# Allegro board HY_DDDW_V10B.brd (continued)
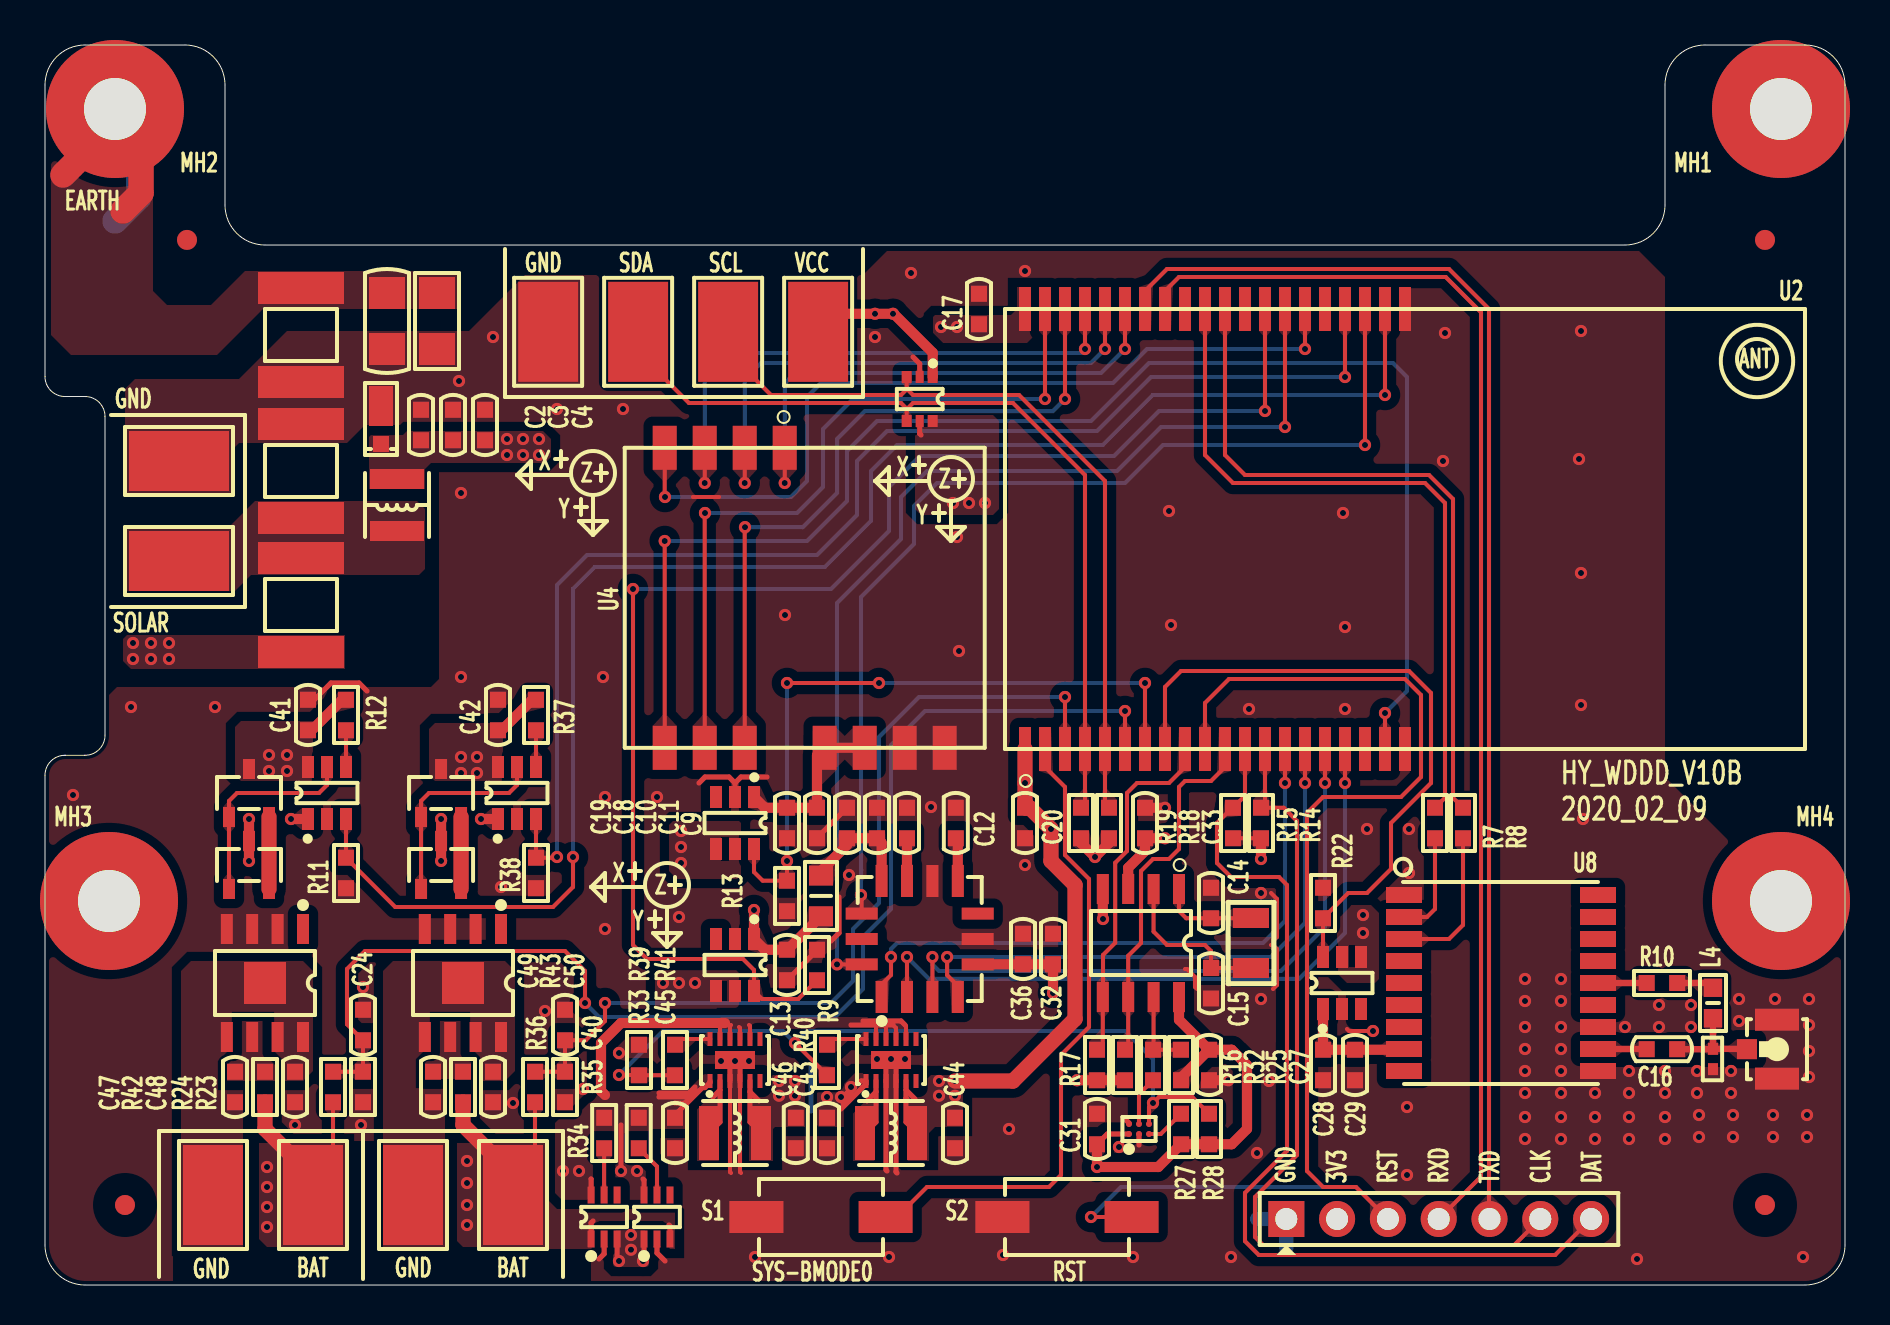
[diagram p0: board, top side]
## Nets (continued)
N17313253: Q9.1 Q10.1 U19.5
N17313285: R37.1 U19.4
N17327866: R40.1 U21.12
N17330296: L5.2(B) U21.2
N17330889: R41.1 U22.12
N17330895: L6.2(B) U22.2
N17334885: C47.2 R42.1 U23.6
N17334891: C47.1 C48.2 TP7.1 U23.5 U23.7 U23.8 U23.9
N17336234: C49.1 C50.2 TP12.1 U24.5 U24.7 U24.8 U24.9
N17336264: C49.2 R43.1 U24.6
N172482410: L4.1 R10.1

Pads without a net: MH1 1; MH3 1; MH4 1; MP1 1; MP2 1; MP3 1; MP4 1; U2 25 29 32; U6 3; U8 4 5 6 7 9 13 15 16 17 18; U11 7 13; U14 3; U16 4; U17 4; U20 3; U21 6 7; U22 6 7; U23 1; U24 1

## Via types
v1: diameter 0.61, hole 0.305, TOP to BOTTOM, 244 vias

## Routing (per net, layer and track width the routed paths; a pad name or vN(x,y) marks a point on that pad's centre or on a via; arc(x,y) is an arc through that point)
GND: length 64
  TOP w0.203: 61.4,17.2 61.6,17.4 61.6,19.3 61.3,19.6 ; 32.4,39.4 33.7,39.4 ; U22.3 34.25,5.65 34.3,5.6 ; 61.3,17 61.4,17 61.6,16.8 61.6,15 61.4,14.8 ; 34.8,5.6 34.75,5.65 U22.4 ; 57.6,14.8 57.5,14.9 57.5,15.4 57.1,15.8 57,15.8 ; 65.1,12.8 65.2,12.7 v1(66.4,12.7)
  TOP w0.254: 39.3,17.2 39.7,17.6 39.7,19.4 ; 34.5,25.1 U14.2 ; 34.5,25.1 34.8,25.4 36.1,25.4 ; 34.5,25.1 34.2,25.4 33,25.4 32.7,25.1 ; 43.4,46.4 43.73,46.06 U1.2 ; U16.2 30.6,1.6 31,1.2 ; U9.B1 54.7,7 ; C10.1 38.6,22.36 C18.1 ; U22.4 34.75,11 U22.13 34.25,11 U22.3 ; 42.6,5.6 42.55,5.65 U21.4 42.55,11 U21.13 42.05,11 U21.3 42.05,5.75 42.1,5.7 ; 16.1,29.7 15.7,30.1 14.3,30.1 13.46,29.26 C41.1 ; U17.2 27.96,1.56 27.7,1.3 ; U9.A2 54.2,8.1 54,8.3 ; C13.1 38.6,16.74 R9.2
  TOP w0.508: C33.1 v1(56,23.86) ; C27.1 v1(59.16,10.24) ; v1(52.9,18.3) 52.89,18.31 U10.4
  L2_GND w0.711: 62.06,1.84 J2.1 ; J2.1 62.06,4.76 ; J2.1 60.61,3.3
  BOTTOM w0.254: 38.3,8.7 38.3,10.9
  BOTTOM w0.711: 62.06,1.84 J2.1 60.61,3.3
  vias: v1(1.4,24.5) v1(4.3,28.9) v1(8.5,28.9) v1(12.5,8) v1(15.8,8) v1(15.9,14.9) v1(20.7,45.2) v1(20.8,39.6) v1(20.8,30.4) v1(22.4,47.4) v1(22.8,19.9) v1(23.4,9.1) v1(25,13.7) v1(25.6,43.8) v1(26.9,9.8) v1(27.9,30.4) v1(28,24.4) v1(28,17.8) v1(28.7,11.6) v1(28.9,43.8) v1(30.6,24.4) v1(31.7,18.4) v1(33.8,11.2) v1(34.5,11.2) v1(35.2,11.2) v1(35.5,1.4) v1(37,33.5) v1(40.2,20.5) v1(41.5,47.4) v1(41.6,11.3) v1(42.2,1.4) v1(42.3,11.3) v1(43,11.3) v1(43.3,50.6) v1(44.3,23.9) v1(45.6,37.4) v1(45.7,31.7) v1(47.9,1.5) v1(48.2,7.8) v1(49,50.7) v1(49,21) v1(53.7,6.9) v1(54.4,1.4) v1(56.2,38.7) v1(56.3,33) v1(59.3,1.4) v1(60.2,28.8) v1(60.6,6.6) v1(60.8,19.6) v1(60.8,14.3) v1(61.2,10.2) v1(64.9,38.6) v1(65,32.9) v1(65,28.8) v1(66.1,22.8) v1(68.1,8.9) v1(68.1,5.5) v1(68.2,22.8) v1(68.2,20.6) v1(69.9,41.2) v1(70,47.6) v1(74,15.3) v1(74,14.2) v1(74,12.9) v1(74,11.8) v1(74,10.7) v1(74,9.6) v1(74,8.4) v1(74,7.3) v1(75.8,15.3) v1(75.8,14.2) v1(75.8,12.9) v1(75.8,11.8) v1(75.8,10.7) v1(75.8,9.6) v1(75.8,8.4) v1(75.8,7.3) v1(76.7,41.3) v1(76.8,47.7) v1(76.8,35.6) v1(76.8,29) v1(76.9,23.3) v1(77.5,9.6) v1(77.5,8.4) v1(77.5,7.3) v1(79,12.9) v1(79.2,10.7) v1(79.2,9.6) v1(79.2,8.4) v1(79.2,7.3) v1(79.6,1.3) v1(80.7,14) v1(80.7,12.9) v1(81,10.7) v1(81,9.6) v1(81,8.4) v1(81,7.3) v1(82.3,14) v1(82.3,12.9) v1(82.6,10.7) v1(82.6,9.6) v1(82.7,8.5) v1(82.7,7.4) v1(84.3,10.7) v1(84.3,9.6) v1(84.4,8.5) v1(84.4,7.4) v1(84.7,14.3) v1(84.7,13.2) v1(86.4,8.5) v1(86.4,7.4) v1(86.5,14.3) v1(87.9,1.4) v1(88.1,8.5) v1(88.1,7.4) v1(88.2,14.3) v1(88.2,13) v1(88.2,11.7) v1(88.2,10.4)
GND_EARTH: length 20.2
  TOP w1.27: 3.5,58.3 4.8,57 4.8,54.6 3.9,53.7 ; 3.5,58.3 3.5,58.1 0.9,55.5 ; 3.5,58.3 MH2.1
  BOTTOM w1.27: 0.9,55.5 3.5,58.1 ; 3.5,58.1 4.7,56.9 4.7,54.4 3.5,53.2 ; 3.5,58.1 MH2.1
  vias: v1(4.4,32.1) v1(4.4,31.3) v1(5.3,32.1) v1(5.3,31.3) v1(6.2,32.1) v1(6.2,31.3)
VCC_3.3V: length 14.8
  TOP w0.254: 35.25,9.65 35.25,8.15 L6.1 ; 35.25,9.65 U22.5 ; 35.25,9.65 35.7,9.2 ; U1.5 43.73,42.56 43.8,42.5
  TOP w0.508: TP4.1 39.56,48.56 v1(41.5,48.56) v1(42.4,48.56) 42.44,48.56 44.38,46.62 U1.1 ; R18.1 53.2,22.1 v1(52.5,21.4) 51.8,22.1 R19.1
  vias: v1(30.9,15.1) v1(31.7,15.1) v1(31.8,22.7) v1(31.8,21.9) v1(31.8,21.1) v1(32.5,15.1) v1(36.7,10.2) v1(36.7,9.46) v1(37.5,10.2) v1(37.5,9.46) v1(45.4,39.1) v1(46.2,39.1) v1(47,39.1) v1(65.9,18.5) v1(65.9,17.6)
VCC_3.3V_ADXL: length 10.9
  TOP w0.508: L3.2 37.12,16.76 C13.2 35.99,16.76 U6.1 v1(35.45,18.75) ; v1(50.4,14.6) C32.1 C36.1 46.64,16.04 U11.5
VCC_3.3V_GPS: length 6.1
  TOP w0.508: U20.1 C28.2 C29.2 67.91,11.76 U8.8
VCC_3.3V_IMU: length 8.5
  TOP w0.508: U14.1 35.99,23.86 C19.2 C18.2 38.6,26.47 U4.8 U4.9
VCC_3.3V_RF: length 32.2
  TOP w0.203: R14.1 R15.1
  TOP w0.254: 43.05,9.75 43.05,9.35 ; 43.05,9.75 43.5,9.3 ; 43.05,9.75 U21.5 ; 43.05,9.35 43.1,9.3 ; 43.05,9.35 43.05,8.15 L5.1
  TOP w0.508: R16.1 R17.1 v1(51.6,10.24) ; R14.1 v1(60.8,21.3)
  TOP w0.762: v1(45.5,10.2) 48.4,10.2 51.5,13.3 51.5,20 50.3,21.2 v1(50.3,22.8) 49.24,23.86 C20.1 v1(49,25.1) U2.1
  L3_VCC w2: J2.2 64.61,5.2 64.6,5.2
  vias: v1(44.7,10.2) v1(44.7,9.46) v1(44.8,47.9) v1(45.5,9.46) v1(45.6,47.9)
VCC_4.2V: length 60
  TOP w0.203: U22.11 33.75,13.05 33.7,13.1 ; U22.8 35.25,12.95 35.2,13 ; U22.9 34.75,12.85 34.7,12.9 ; U21.10 42.05,12.95 42,13 ; 41.5,13 41.55,12.95 U21.11 ; 34.3,13 34.25,12.95 U22.10 ; U21.9 42.55,12.85 42.4,13 ; 43,13 43.05,12.95 U21.8
  TOP w0.254: 32.3,9.4 32,9.1 31.5,9.1 ; 32.3,9.4 30.7,9.4 ; 32.3,9.4 32.6,9.7 ; 39.8,8.8 41.05,10.05 U21.1 40.8,10.2 40.7,10.1 ; U9.A1 53.11,7.55 C31.2 ; v1(39.8,9.4) 39.9,9.4 40.1,9.6 40.3,9.6 40.3,9.5 39.9,9.1 ; 40.3,13 42.4,13 ; 28.8,8 28.8,6 ; 30.7,9.6 32.2,9.6 32.5,9.9 ; U22.1 33.25,10.12 33,9.87 32.87,9.87 31.5,8.5 C45.2 ; 27.3,5.3 27.31,5.29 U17.6 ; 29.9,5.3 29.95,5.25 U16.6 ; 43,13 42.8,13.2 40.9,13.2
  TOP w0.508: U10.3 54.16,20.86 55,21.7 C33.2 v1(56,22.34) ; U10.8 56.7,13.26 C27.2 ; C27.2 56.8,10.36 R25.1 ; C27.2 59.34,11.76 60.1,11 60.1,7.8 59.34,7.04 R28.2 R27.1 55.66,5.9 v1(52.6,5.9) C31.2 ; 34,13.1 28.8,13.1 27.8,12.1 27.8,9.7 28,9.5
  vias: v1(25.9,5.7) v1(26.7,5.7) v1(28.8,5.7) v1(29.6,5.7) v1(39.1,9.4) v1(40.3,9.9)
VCC_4.2V_BAT1: length 15.2
  TOP w0.203: R24.1 14.4,5.5 TP8.1
  TOP w0.254: U16.1 29.95,1.45 30,1.4 30,1.3 ; 28.6,1.3 28.61,1.31 U17.3
  TOP w0.508: C41.2 13.34,27.74 14.86,29.26 R12.2
  TOP w0.762: TP8.1 13.4,5.4 11,7.8 R42.2
  vias: v1(11.1,5.9) v1(11.1,4.9) v1(11.1,3.9) v1(11.1,2.9) v1(11.2,26.5) v1(11.2,25.7) v1(12.1,26.5) v1(12.1,25.7) v1(28.7,1.2) v1(29.3,2.5) v1(29.3,1.76) v1(29.9,1.2)
VCC_4.2V_BAT2: length 15
  TOP w0.203: R36.1 24.5,5.6 TP10.1
  TOP w0.254: U16.3 31.25,2.95 31.2,3 ; U17.1 27.31,3.11 27.4,3.2
  TOP w0.508: R37.2 24.36,29.26 22.84,27.74 C42.2
  TOP w0.762: R43.2 20.9,8 23.4,5.5 TP10.1
  vias: v1(20.8,26.4) v1(20.8,25.6) v1(21.1,6.2) v1(21.1,5.1) v1(21.1,4) v1(21.1,3) v1(21.6,26.4) v1(21.6,25.6)
VCC_VIN: length 5.9
  TOP w0.508: v1(19.8,23.3) Q9.3 v1(19.8,21.2) ; U18.1 v1(12.3,23.3) ; v1(10.2,21.2) Q7.3 v1(10.2,23.3) ; U19.1 v1(21.8,23.3)
  vias: v1(23.1,42.3) v1(23.1,41.5) v1(23.9,42.3) v1(23.9,41.5) v1(24.7,42.3) v1(24.7,41.5)
BAT1_VAL: length 63.1
  TOP w0.203: R24.2 R23.1 C24.1 15.1,13.04 15.1,15.8 16,16.7 26,16.7 27,15.7 v1(27,14.1) ; U2.6 v1(54,28.7)
  BOTTOM w0.203: v1(54,28.7) 44,28.7 42.3,27 42.3,18.8 40.9,17.4 40.9,14.8 39.5,13.4 27.7,13.4 v1(27,14.1)
BAT2_VAL: length 44.7
  TOP w0.203: v1(28,14.1) 28,13.2 27.04,12.24 C40.1 R35.1 R36.2 ; U2.3 v1(51,29.4)
  BOTTOM w0.203: v1(28,14.1) 39.3,14.1 40.4,15.2 40.4,17.8 41.7,19.1 41.7,27.4 43.7,29.4 v1(51,29.4)
CTL1/P0_14: length 80
  TOP w0.203: U2.22 v1(67,44.5) ; U18.3 R11.2 17.51,18.9 25.4,18.9 26.4,19.9 v1(26.4,21.4)
  BOTTOM w0.203: v1(26.4,21.4) 26.4,34.81 27.49,35.9 38.99,35.9 41.3,38.21 41.3,40.7 42.6,42 52.89,42 55.39,44.5 v1(67,44.5)
CTL2/P2_02: length 65.3
  TOP w0.203: U19.3 R38.2 25.56,21.36 v1(25.6,21.4) ; U2.24 v1(65,45.4)
  BOTTOM w0.203: v1(25.6,21.4) 25.6,35 27.1,36.5 38.6,36.5 40.6,38.5 40.6,41.2 42.1,42.7 52.6,42.7 55.3,45.4 v1(65,45.4)
CTL_ONOFF: length 40.4
  TOP w0.203: U9.C2 55.2,8.9 v1(55.4,9.1) 55.7,9.4 57.36,9.4 R28.1 ; v1(28.7,10.5) 29.69,10.5 R39.2 R41.2 ; R40.2 39.1,10.5 v1(37.5,12.1)
  BOTTOM w0.203: v1(55.4,9.1) 55.4,11.3 54,12.7 38.1,12.7 v1(37.5,12.1) 36.9,12.7 30.9,12.7 v1(28.7,10.5)
GPS_ANT: length 5
  TOP w0.32: D2.2 85.08,11.81 IPX1.1 ; D2.2 83.38,11.79 C16.1 ; D2.2 L4.2
I2C0_SCL: length 18.3
  TOP w0.203: R16.2 54.16,11.92 U10.6 54.16,16.46 54.8,17.1 54.8,20.7 55.4,21.3 56.2,21.3 56.7,21.8 56.7,24.9 57,25.2 58.3,25.2 59,25.9 U2.11
I2C0_SDA: length 17.8
  TOP w0.203: R17.2 52.89,12.05 U10.5 52.9,14.41 52.9,16.5 53.51,17.11 53.51,21.11 54.1,21.7 54.1,24.6 54.6,25.1 56.2,25.1 57,25.9 U2.9
I2C_SCL: length 39.8
  TOP w0.203: TP3.1 34.16,46.64 36.3,44.5 42.8,44.5 43.09,44.78 43.09,44.81 ; R18.2 53,24.06 U2.5 53,40.2 48.7,44.5 43.4,44.5 43.09,44.81 ; 43.09,44.81 U1.3
I2C_SDA: length 43.5
  TOP w0.203: 43.09,43.81 42.8,44.1 32.2,44.1 29.66,46.64 TP2.1 ; 43.09,43.81 U1.4 ; 43.09,43.81 43.12,43.81 43.4,44.1 48.4,44.1 52,40.5 U2.4 52,24.06 R19.2
P0_08/EN: length 70.8
  TOP w0.203: v1(29.4,34.8) 29.4,17 30.1,16.3 34.9,16.3 35.45,15.75 U6.6 35.85,14.3 37.66,14.3 R9.1 ; U2.28 v1(61,43.7)
  BOTTOM w0.203: v1(61,43.7) 55.7,43.7 53.45,41.45 43.75,41.45 42.2,39.9 42.2,37.7 39.3,34.8 v1(29.4,34.8)
P0_09/DR: length 71.9
  TOP w0.203: U2.19 v1(67,28.6) ; U4.5 v1(30.99,37.2)
  BOTTOM w0.203: v1(30.99,37.2) 38.1,37.2 40.1,39.2 40.1,41.7 41.6,43.2 52.3,43.2 55.2,46.1 67.4,46.1 68.1,45.4 68.1,29.7 v1(67,28.6)
P1_11/DRY: length 52.5
  TOP w0.203: U11.14 v1(39.6,16.03) ; U2.27 v1(62,42.9)
  BOTTOM w0.203: v1(39.6,16.03) 39.6,20.24 39.59,20.25 39.59,20.75 39.6,20.76 39.6,34.1 42.8,37.3 42.8,39.4 44.1,40.7 53.6,40.7 55.8,42.9 v1(62,42.9)
P1_12/SYNC: length 42
  TOP w0.203: U2.26 v1(63,46.8) ; v1(31,39.4) 30.99,39.41 U4.4
  BOTTOM w0.203: v1(31,39.4) 37.3,39.4 38.1,40.2 38.1,44.4 38.8,45.1 53.4,45.1 55.1,46.8 v1(63,46.8)
P2_09/EN: length 34.1
  TOP w0.203: U14.6 35.45,20.65 35.88,20.22 R13.1 v1(37.1,21.2) ; U2.7 v1(55,30.1) ; v1(41.7,30.1) v1(37.1,30.1)
  BOTTOM w0.203: v1(37.1,30.1) v1(37.1,21.2) ; v1(55,30.1) v1(41.7,30.1)
P2_10/EN: length 33.2
  TOP w0.203: U2.8 56,29.9 56.8,30.7 68.2,30.7 69.3,29.6 69.3,25.1 67.3,23.1 67.3,20.8 66.1,19.6 65.16,19.6 R22.2 U20.6
SPI0_CLK: length 37.3
  TOP w0.203: U4.6 32.99,38.59 v1(33,38.6) ; U2.39 v1(50,44.3)
  BOTTOM w0.203: v1(50,44.3) 40.4,44.3 38.9,42.8 38.9,39.9 37.6,38.6 v1(33,38.6)
SPI0_CS0: length 27.6
  TOP w0.203: U2.36 v1(53,46.8) ; U4.2 v1(34.99,40.1)
  BOTTOM w0.203: v1(53,46.8) 52.3,46.1 35.8,46.1 34.99,45.29 v1(34.99,40.1)
SPI0_CS1/RST: length 26.5
  TOP w0.203: U2.35 v1(54,46.8) ; U4.1 v1(36.99,40.1)
  BOTTOM w0.203: v1(36.99,40.1) 36.99,45.09 37.5,45.6 52.8,45.6 v1(54,46.8)
SPI0_MISO: length 28.8
  TOP w0.203: U2.37 v1(52,46.8) ; U4.3 v1(32.99,40.1)
  BOTTOM w0.203: v1(52,46.8) 51.8,46.6 34,46.6 32.99,45.59 v1(32.99,40.1)
SPI0_MOSI: length 35.8
  TOP w0.203: v1(35,37.89) 34.99,37.88 U4.7 ; U2.38 v1(51,44.3)
  BOTTOM w0.203: v1(35,37.89) 37.89,37.89 39.61,39.61 39.61,42.31 40.99,43.69 50.39,43.69 v1(51,44.3)
SPI1_CLK: length 34.5
  TOP w0.203: U2.17 v1(65,25.1) ; U11.2 v1(43.1,16.4)
  BOTTOM w0.203: v1(43.1,16.4) 44.19,15.31 62.71,15.31 65,17.6 v1(65,25.1)
SPI1_CS0: length 31.5
  TOP w0.203: U2.14 v1(62,25.1) ; v1(42.3,16.4) 42.3,15.5 41.83,15.03 U11.1
  BOTTOM w0.203: v1(62,25.1) 62,18.2 60.9,17.1 42.6,17.1 42.3,16.8 v1(42.3,16.4)
SPI1_MISO: length 29.5
  TOP w0.203: U11.4 45.64,14.61 45.59,14.66 45.59,15.01 45.11,15.49 v1(45.11,16.4) ; U2.15 v1(63,25.1)
  BOTTOM w0.203: v1(45.11,16.4) 61.3,16.4 63,18.1 v1(63,25.1)
SPI1_MOSI: length 31.9
  TOP w0.203: U11.3 v1(44.37,16.4) ; U2.16 v1(64,25.1)
  BOTTOM w0.203: v1(44.37,16.4) 44.37,16.03 44.7,15.7 61.8,15.7 64,17.9 v1(64,25.1)
SWD0_CLK: length 41.7
  TOP w0.203: U2.13 61,24.06 R14.2 61.94,23.86 62.6,23.2 62.6,6.5 60.5,4.4 60.5,2.4 60.9,2 73.47,2 J2.6
SWD0_DATA: length 47.3
  TOP w0.203: U2.12 60,24.46 R15.2 59.36,23.86 58.6,23.1 58.6,21.1 59.3,20.4 61.7,20.4 62.1,20 62.1,6.71 60,4.61 60,2.19 60.69,1.5 75.5,1.5 J2.7
SYS_BMODE0: length 32.4
  TOP w0.203: S1.1 42.6,3.4 44.1,4.9 50.2,4.9 50.8,5.5 50.8,11.5 52.2,12.9 52.2,20.3 51,21.5 51,24.9 50,25.9 U2.2
SYS_HWRST_N: length 65.6
  TOP w0.203: J2.3 65.55,4.9 63.9,4.9 63.1,5.7 63.1,23.6 63.9,24.4 67.8,24.4 68.8,25.4 68.8,29.5 68,30.3 59.2,30.3 58,29.1 U2.10 ; S2.1 v1(52.3,3.4)
  BOTTOM w0.203: v1(52.3,3.4) 53.8,4.9 65.55,4.9 J2.3
SYS_WAKE1/INT1: length 52.1
  TOP w0.203: U11.12 40.84,19.46 v1(40.8,19.5) ; U2.23 v1(66,42)
  BOTTOM w0.203: v1(40.8,19.5) 40.8,20.24 40.81,20.25 40.81,20.75 40.8,20.76 40.8,34.4 43.45,37.05 43.45,38.95 44.6,40.1 54,40.1 55.9,42 v1(66,42)
UART0_RX_N: length 63.9
  TOP w0.203: U2.33 56,49.7 56.7,50.4 70.03,50.4 71.8,48.63 71.8,5.42 J2.4
UART0_TX_N: length 64.9
  TOP w0.203: J2.5 72.2,3.33 72.2,48.8 70.2,50.8 56.1,50.8 55,49.7 U2.34
UART1_RX: length 35.7
  TOP w0.203: R7.1 70,24.36 70,39.1 69,40.1 59.4,40.1 58,41.5 U2.31
UART1_TX: length 35.3
  TOP w0.203: R8.1 70.4,24.36 70.4,39.3 69.2,40.5 60,40.5 59,41.5 U2.30
WDT_DIS: length 2.5
  TOP w0.203: R32.2 54.7,9.54 U9.B2
N17208194: length 4.9
  TOP w0.203: U10.1 56.7,18.7 57.06,18.34 C14.2 60.29,18.34 X1.2
N17208211: length 8.2
  TOP w0.203: X1.1 C15.2 58.3,16.7 58,17 56.1,17 55.43,17.67 U10.2
N17208332: length 4.1
  TOP w0.203: R25.2 R32.1 55.43,11.79 U10.7
N17224833: length 2
  TOP w0.203: R27.2 55.79,7.55 U9.C1
N17247790: length 5.3
  TOP w0.203: U8.2 69.1,18.4 69.5,18.8 R7.2
N17247793: length 7.6
  TOP w0.203: R8.2 70.9,18 70.2,17.3 U8.3
N17248127: length 2.4
  TOP w0.32: C16.2 80.08,11.8 U8.11
N17248257: length 2.4
  TOP w0.32: U8.14 R10.2
N17257140: length 6.1
  TOP w0.508: L3.1 38.8,20.7 40.1,22 C10.2 C11.1 41.83,22.11 U11.11
N17257204: length 2.1
  TOP w0.508: U11.10 C9.1
N17257244: length 2.2
  TOP w0.508: U11.8 45.64,22.24 C12.1
N17310007: length 3.6
  TOP w0.762: Q7.2 Q8.2
N17310043: length 10.5
  TOP w0.203: Q7.1 Q8.1 9.2,24.2 9.6,24.6 13.7,24.6 14.1,25 U18.5
N17310198: length 1.8
  TOP w0.203: U18.4 R12.1
N17312149: length 2.7
  TOP w0.203: R33.1 30.6,5.93 U16.5
N17312332: length 2.3
  TOP w0.203: U17.5 R34.1
N17313230: length 3.6
  TOP w0.762: Q9.2 Q10.2
N17313253: length 10.4
  TOP w0.203: U19.5 23.6,25 23.2,24.6 19.2,24.6 18.8,24.2 Q10.1 Q9.1
N17313285: length 1.8
  TOP w0.203: U19.4 R37.1
N17327866: length 2.1
  TOP w0.203: R40.1 39.39,12.3 U21.12
N17330296: length 3.5
  TOP w0.254: L5.2 41.55,8.15 41.55,9.65 ; 41.55,9.65 41.1,9.2 ; 41.55,9.65 U21.2
N17330889: length 1.9
  TOP w0.203: R41.1 31.79,12.3 U22.12
N17330895: length 3.3
  TOP w0.254: U22.2 33.75,9.75 ; 33.75,9.75 33.75,8.15 L6.2 ; 33.75,9.75 33.4,9.4
N172482410: length 1.9
  TOP w0.32: R10.1 83.06,15.1 83.3,14.86 L4.1

## Copper pours and planes (outline as drawn; the poured copper is in the pictures)
GND on TOP: 57.2,24.6 60.9,24.6 62,23.5 62,12.6 61.5,12.1 58.5,12.1 57.2,13.4 ; 1 cut-out
GND on TOP: 42.1,51.7 79.7,51.7 81,50.4 81,25.4 89.8,16.6 89.8,2 89.26,0.74 88,0.2 27.3,0.2 27.3,1.4 25.2,1.4 25.2,7.2 6.5,7.2 6.5,1.5 6.4,1.5 6.4,0.2 2,0.2 0.75,0.75 0.2,2 0.2,25.5 0.47,26.07 1.05,26.3 1.1,26.3 2.01,26.3 2.85,26.65 3.2,27.49 3.2,29.5 3.6,29.9 19.3,29.9 19.7,30.3 19.7,42.6 19.3,43 16,43 15.1,42.1 9.7,42.1 9.4,41.8 9.4,39.6 9.3,39.5 4,39.5 4,44.8 4.5,45.3 9.7,45.3 12.1,47.7 21.2,47.7 24,50.5 40.9,50.5 ; 11 cut-outs
GND on BOTTOM: 3.6,29.9 19.3,29.9 19.7,30.3 19.7,46.2 24,50.5 40.9,50.5 42.1,51.7 79.7,51.7 81,50.4 81,25.4 89.8,16.6 89.8,2 89.26,0.74 88,0.2 2,0.2 0.75,0.75 0.2,2 0.2,25.5 0.48,26.09 1.1,26.3 2,26.3 2.85,26.65 3.2,27.5 3.2,29.5 ; 7 cut-outs
GND on L2_GND: 3.6,29.9 19.3,29.9 19.7,30.3 19.7,46.2 24,50.5 40.9,50.5 42.1,51.7 79.7,51.7 81,50.4 81,25.4 89.8,16.6 89.8,2 89.26,0.74 88,0.2 2,0.2 0.75,0.75 0.2,2 0.2,25.5 0.48,26.09 1.1,26.3 2,26.3 2.85,26.65 3.2,27.5 3.2,29.5
GND_EARTH on TOP: 15,30.8 4.3,30.8 3.9,31.2 3.9,32.3 4.1,32.5 15,32.5
GND_EARTH on TOP: 20.6,48.8 10.9,48.8 8.6,46.5 1.3,46.5 0.3,47.5 0.3,59.8 2.2,61.7 4.4,61.7 5.4,60.7 5.4,49.7 6.1,49 8.3,49 10,50.7 20.5,50.7 20.6,50.6
GND_EARTH on BOTTOM: 4,30.9 6.4,30.9 6.9,31.4 6.9,48.3 5.4,49.8 5.4,60 4.4,61 1.2,61 0.3,60.1 0.3,47.9 3.5,44.7 3.5,31.4
VCC_3.3V on TOP: 34.8,13.8 34.8,15.5 34.5,15.8 30.7,15.8 30.5,15.6 30.5,13.8 30.7,13.6 34.6,13.6 ; 1 cut-out
VCC_3.3V on TOP: 34.8,20.5 34.8,23.1 34.7,23.2 31.4,23.2 31.2,23 31.2,20.7 31.6,20.3 34.6,20.3 ; 1 cut-out
VCC_3.3V on TOP: 35.2,6.2 35.2,9.5 36,9.5 36.2,9.7 36.2,10.3 36.4,10.5 37.7,10.5 38,10.2 38,7.9 36.5,7.9 36.4,7.8 36.4,6.2
VCC_3.3V on TOP: 64.6,15.6 64.6,18.5 65.1,19 66.3,19 66.7,18.6 66.7,15.3 66.5,15.1 65.1,15.1 ; 1 cut-out
VCC_3.3V on TOP: 44.2,43.5 47.4,43.5 47.7,43.2 47.7,38.8 47.4,38.5 43.8,38.5 43.5,38.8 43.5,43.4 43.6,43.5 43.9,43.5 43.9,42.9 44.2,42.9
VCC_3.3V on BOTTOM: 65.6,19 66.2,19 66.4,18.8 66.4,17.3 66.2,17.1 65.6,17.1 65.4,17.3 65.4,18.8
VCC_3.3V on BOTTOM: 45.1,39.5 47.4,39.5 47.6,39.3 47.6,38.8 47.4,38.6 45.1,38.6 44.9,38.8 44.9,39.3
VCC_3.3V on BOTTOM: 30.6,15.8 32.9,15.8 33.2,15.5 33.2,14.9 32.9,14.6 30.7,14.6 30.4,14.9 30.4,15.6
VCC_3.3V on BOTTOM: 41.1,49.1 42.8,49.1 43,48.9 43,48.2 42.8,48 41.2,48 40.9,48.3 40.9,48.9
VCC_3.3V on BOTTOM: 32.4,23.4 31.3,23.4 31,23.1 31,20.9 31.3,20.6 32.4,20.6 32.6,20.8 32.6,23.2
VCC_3.3V on BOTTOM: 37.6,9 36.5,9 36.2,9.3 36.2,10.4 36.4,10.6 37.6,10.6 37.8,10.4 37.8,9.2
VCC_3.3V on L3_VCC: 3.6,29.9 19.3,29.9 19.7,30.3 19.7,46.2 24,50.5 40.9,50.5 42.1,51.7 79.7,51.7 81,50.4 81,25.4 89.8,16.6 89.8,2 89.26,0.74 88,0.2 2,0.2 0.75,0.75 0.2,2 0.2,25.5 0.48,26.09 1.1,26.3 2,26.3 2.85,26.65 3.2,27.5 3.2,29.5 ; 1 cut-out
VCC_3.3V_ADXL on L3_VCC: 35.2,19.1 50.4,19.1 51.2,18.3 51.2,14.8 50.7,14.3 50.1,14.3 49.7,14.7 49.7,17 48.7,18 35.2,18 35,18.2 35,18.9
VCC_3.3V_RF on TOP: 44.2,6.2 43,6.2 42.9,6.3 42.9,9.5 43.9,9.5 44.1,9.7 44.1,10.3 44.3,10.5 45.7,10.5 45.9,10.3 45.9,7.9 44.5,7.9 44.2,7.6
VCC_3.3V_RF on TOP: 48.6,49.9 48.6,48.8 48.3,48.5 44.5,48.5 44.4,48.4 44.4,47.5 44.8,47.1 49.1,47.1 49.4,47.4 49.4,49.9
VCC_3.3V_RF on L3_VCC: 44.6,48.7 48.8,48.7 49.4,48.1 49.4,27.7 50.1,27 59.1,27 60.8,25.3 60.8,22.9 61.8,21.9 64,21.9 65.2,20.7 65.2,17 65.6,16.6 65.6,2.8 65.3,2.5 63.9,2.5 63.6,2.8 63.6,19.1 62.4,20.3 58.9,20.3 57.8,21.4 57.8,24.1 57.2,24.7 55.8,24.7 55.2,24.1 55.2,10.3 53.6,8.7 44.8,8.7 44.4,9.1 44.4,10.7 44.6,10.9 52.1,10.9 53.4,12.2 53.4,21.8 53,22.2 50,22.2 48.4,23.8 48.4,46.9 48,47.3 44.6,47.3 44.3,47.6 44.3,48.4
VCC_4.2V on TOP: 33,10.6 33.3,10.6 33.3,9.7 32.8,9.2 32.5,9.2 32.3,9 32.3,8.1 32,7.8 30.3,7.8 30.3,4 26.1,4 25.5,4.6 25.5,8.1 25.7,8.3 26.4,8.3 27.8,9.7 32.1,9.7
VCC_4.2V on TOP: 41.2,10.6 40.5,10.6 39.7,9.8 38.8,9.8 38.6,9.6 38.6,8 38.7,7.9 40,7.9 40.1,8 40.1,9.1 40.2,9.2 40.6,9.2 41.2,9.8
VCC_4.2V on TOP: 43.1,13.4 33.8,13.4 33.6,13.2 33.6,12.8 43.2,12.8 43.2,13.3
VCC_4.2V on BOTTOM: 40.5,10.3 39.1,10.3 38.8,10 38.8,9.1 39,8.9 40.5,8.9 40.7,9.1 40.7,10.1
VCC_4.2V on BOTTOM: 25.6,6.1 29.9,6.1 30.1,5.9 30.1,5.5 29.9,5.3 25.6,5.3 25.4,5.5 25.4,5.9
VCC_4.2V on L3_VCC: 25.6,6.3 38.3,6.3 38.6,6.6 38.6,10 38.8,10.2 40.5,10.2 40.7,10 40.7,6.6 41,6.3 55,6.3 55.7,7 55.7,22.6 55.9,22.8 56.7,22.8 56.9,22.6 56.9,6.2 55.8,5.1 25.6,5.1 25.4,5.3 25.4,6.1
VCC_4.2V_BAT1 on TOP: 15,7.1 10.7,7.1 10.7,2.3 11.1,1.9 15,1.9
VCC_4.2V_BAT1 on TOP: 28.4,2.8 28.4,1 28.5,0.9 30.1,0.9 30.2,1 30.2,2.8
VCC_4.2V_BAT1 on TOP: 13.4,25.2 13.4,28.2 9.8,28.2 9.5,27.9 9.5,25.5 9.8,25.2
VCC_4.2V_BAT1 on BOTTOM: 12.3,26.9 12.5,26.7 12.5,25.6 12.3,25.4 10.3,25.4 9.5,24.6 9.5,8.4 11.7,6.2 11.7,2.1 12,1.8 27.5,1.8 28.5,2.8 30,2.8 30.3,2.5 30.3,1.1 30.1,0.9 9.1,0.9 7.8,2.2 7.8,25.9 8.8,26.9
VCC_4.2V_BAT2 on TOP: 19.5,25.2 22.9,25.2 22.9,28.1 19.5,28.1 19.2,27.8 19.2,25.5
VCC_4.2V_BAT2 on TOP: 31.3,3.8 31.5,3.6 31.5,1.8 31.1,1.8 31.1,3 30.9,3.2 27.7,3.2 27.5,3 27.5,1.8 21.9,1.8 21.9,7.1 25,7.1 25,4.4 25.6,3.8
VCC_4.2V_BAT2 on TOP: 25,7.1 20.6,7.1 20.6,2.2 20.9,1.9 25,1.9
VCC_4.2V_BAT2 on BOTTOM: 16.7,26 16.7,3.6 17.6,2.7 21.4,2.7 21.6,2.9 21.6,6.3 19.1,8.8 19.1,24.7 19.6,25.2 21.8,25.2 22,25.4 22,26.6 21.8,26.8 17.5,26.8
VCC_SOLAR on TOP: 4.1,34.7 9.5,34.7 10.3,35.5 18.7,35.5 19,35.8 19,38.8 18.6,39.2 10.5,39.2 9.1,37.8 4.1,37.8
VCC_VIN on TOP: 16.2,39.8 16.2,42.4 16.3,42.5 17.9,42.5 18.1,42.7 24.9,42.7 25.3,42.3 25.3,41.4 25,41.1 19.3,41.1 19,40.8 19,39.8
VCC_VIN on BOTTOM: 22.9,42.8 25,42.8 25.3,42.5 25.3,21.3 24.7,20.7 19.9,20.7 19.5,21.1 19.5,24.3 19.9,24.7 22.1,24.7 22.4,25 22.4,26.9 22.1,27.2 17.2,27.2 16,26 16,21.2 15.5,20.7 10.1,20.7 9.8,21 9.8,24 10.5,24.7 12.5,24.7 13.2,25.4 13.2,27.8 14.4,29 21.7,29 22.6,29.9 22.6,42.5
N17330296 on TOP: 40.4,6.2 41.7,6.2 41.7,9.5 41.2,9.5 40.7,9 40.4,9
N17330895 on TOP: 32.6,6.2 32.6,9 32.8,9 33.3,9.5 33.9,9.5 33.9,6.2
N17334885 on TOP: 9.1,10.2 11.5,10.2 11.5,11 11,11.5 11,13.2 9.8,13.2 9.8,11.7 9.1,11
N17334891 on TOP: 6.8,1.9 6.8,15.7 7.3,16.2 12.9,16.2 13.4,15.7 13.4,10.7 12.9,10.2 10.5,10.2 9.9,9.6 9.9,1.9
N17336234 on TOP: 16.9,1.9 16.9,15.7 17.4,16.2 23,16.2 23.5,15.7 23.5,10.7 23,10.2 20.6,10.2 20,9.6 20,1.9
N17336264 on TOP: 19.7,13.2 19.7,11.8 19,11.1 19,10.3 21.3,10.3 21.3,11.2 20.8,11.7 20.8,13.2

Small or netless copper shapes (teardrops, artwork), in the pictures only: 264 on TOP, 46 on BOTTOM

## Text on the board
Ref Des/Silkscreen Bottom: HY_DDDW_V10B | 2020_02_09
Ref Des/Silkscreen Top: EARTH | SOLAR | GND | BAT | X | Y | Z | SDA | SCL | SYS-BMODE0 | VCC | RST | ANT | 3V3 | RXD | TXD | CLK | DAT | HY_WDDD_V10B | 2020_02_09
